# Altium PCB base-board_2.PcbDoc (part 2 of 3)
Units mil, origin at the board's own origin, x right, y up, seen from the top; angles counter-clockwise.
Board outline 3247.64 x 2805.12 mil, 4 copper layers (1 Top Layer, 2 Signal Layer, 3 GND Layer, 4 Bottom Layer), stack 61.811 mil thick; 193 components, 154 nets, 686 pads, 247 vias.
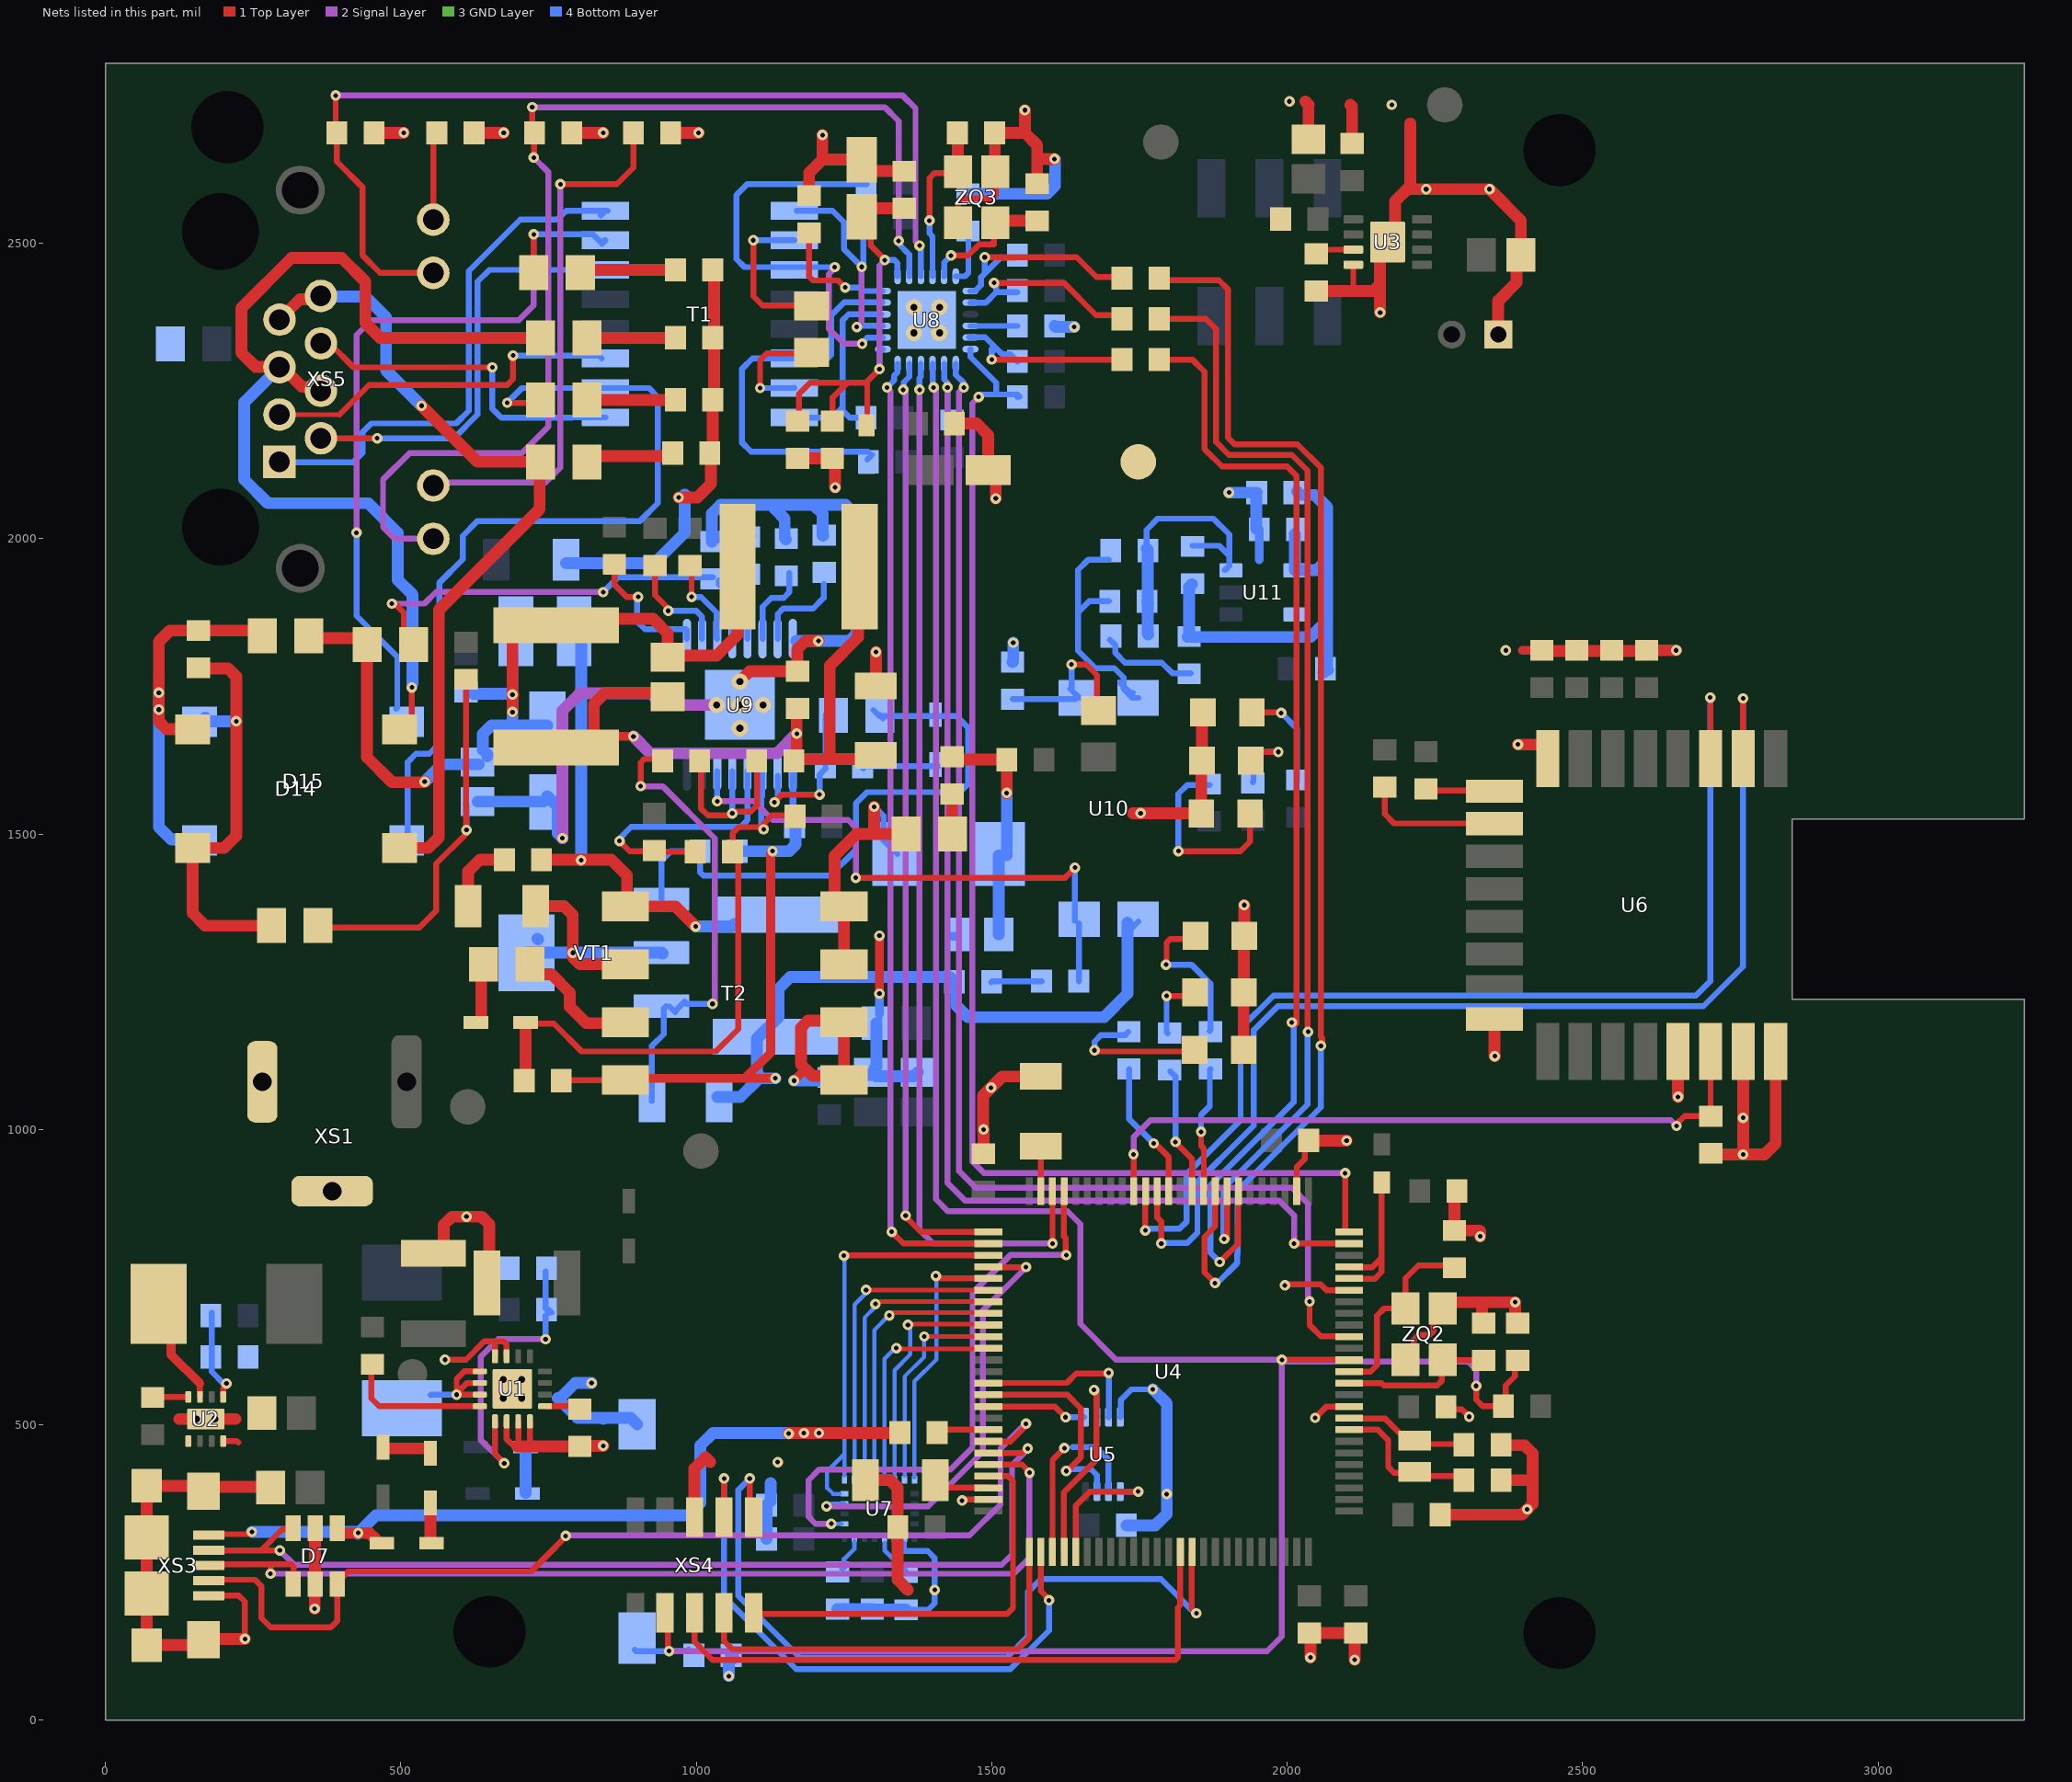
[diagram p4: the nets of this part, all layers, seen from the top]

## Via types
v1: diameter 17.72, hole 7.87, 1 Top Layer to 4 Bottom Layer, tented both sides, 215 vias
v2: diameter 17.72, hole 7.87, 1 Top Layer to 4 Bottom Layer, 13 vias
v3: diameter 27.56, hole 11.81, 1 Top Layer to 4 Bottom Layer, 11 vias
v4: diameter 23.62, hole 7.87, 1 Top Layer to 4 Bottom Layer, tented both sides, 4 vias
v5: diameter 27.56, hole 11.81, 1 Top Layer to 4 Bottom Layer, tented top, 4 vias

## Nets (pads, with @x,y where several pads share a name; then routed paths per layer and width w, separated by ;. In a path a pad name is that pad's centre, name@x,y a point inside that pad or via, vN(x,y) a via of type N, cw(c..) or ccw(c..) an arc to the next point about the centre after c; other vN are vias at no path point) (continued)
GND: C1.1 C2.1 C3.1 C4.1 C5.1 C6.1 C7.1 C8.1 C9.1 C10.1 C11.1 C12.1 C13.2 C14.1 C15.2 C16.1 C17.1 C18.1 C19.1 C20.1 C21.1 C22.1 C23.1 C24.1 C25.1 C26.1 C27.2 C28.2 C29.2 C30.2 C31.2 C32.2 C33.1 C34.2 C35.2 C36.2 C37.2 C38.2 C39.2 C40.2 C41.2 C42.2 C43.2 C44.2 C45.2 C61.1 C62.1 C63.1 C64.2 C65.1 C71.2 C80.2 D7.2 D7.5 D8.1 D9.1 D10.1 D11.1 D12.1 D13.1 pad.9 R8.1 R25.1 R26.1 R28.1 R29.1 R30.1 R31.1 R59.2 R60.2 R61.2 R63.1 R65.1 SB1.2 T2.7 T2.8 U1.6 U1.7 U1.8 U1.15 U1.16 U1.17 U2.1 U2.4 U2.9 U3.4 U3.9 U4.10 U4.20 U4.27 U4.74 U5.4 U6.8 U6.16 U6.21 U6.23 U6.24 U7.19 U7.20 U8.25 U11.5 XS1.2 XS1.3 XS2.1 XS3.5 XS3.6 XS3.7 XS3.8 XS3.9 XS3.10 XS3.11 XS4.6 ZQ2.2 ZQ2.4 ZQ3.2 ZQ3.4 | length 9790.4
  1 Top Layer w10: XS3.5@175.16,210.83 226.18,210.83 236.22,200.79 v1(236.22,137.8) ; U2.4@199.53,472.6 222.4,472.6 225,470 ; v1(574.8,610.24) 610.24,610.24 641.73,641.73 659.47,641.73 673.28,641.73 679.13,635.87 U1.15@679.13,616.14 ; U1.16@659.45,616.14 659.45,641.71 ; U1.6@679.13,505.91 679.13,475.87 695,460 ; 698.82,465.55 U1.7@698.82,505.91 ; 716.54,463.58 718.5,465.55 U1.8@718.5,505.91 ; ZQ3.4@1442.91,2534.45 1442.91,2569.93 1448.77,2575.79 1501.03,2575.79 1506.89,2581.65 1506.89,2620.08 ZQ3.2@1505.91,2621.06 ; v1(1449.8,372.05) 1451.89,372.05 1453.58,373.74 U4.74@1494.57,373.74 ; v1(1996.06,736.22) 1998.03,738.19 2056.1,738.19 2066.22,728.07 U4.20@2104.8,728.07 ; U4.27@2016.22,895.39 2016.22,936.5 2029.53,949.8 2029.53,974.41 C22.1@2036.42,981.3 ; v1@2047.24,515.75 v1(2047.24,511.81) 2066.65,531.22 U4.10@2104.8,531.22 ; C10.1@2049.21,2419.29 C10.1@2054.13,2414.37 ; 2110.24,2419.29 2111.93,2420.98 U3.4@2111.93,2463.61 ; ZQ2.2@2200.12,610.43 2214.57,624.88 2214.57,644.69 2222.44,652.56 2241.14,652.56 2248.03,659.45 2248.03,681.97 ZQ2.4@2263.11,697.05 ; C26.1@2268.7,530.51 2272.92,526.29 2295.56,526.29 v1(2308.07,513.78)
  1 Top Layer w15: v1(1165.35,1082.68) 1183.07,1100.39 1192.91,1090.55 ; v1(1310,1328) v1(1310,1230) 1310,1229.37 v1@1311.02,1228.35 ; 2397.64,1811.02 C28.2@2431.1,1811.02
  1 Top Layer w20: 125,510 v3(154.25,510) U2.9@170,510 v3(185.75,510) 220,510 ; XS3.7@166.3,136.02 157.44,127.17 XS3.9@69.84,127.17 XS3.11@69.84,214.76 XS3.10@69.84,309.25 XS3.8@69.84,396.85 157.44,396.85 XS3.6@166.3,387.99 173.31,395 C4.1@279.53,395 ; XS3.7@166.3,137.8 v1(236.22,137.8) ; v1(354.33,188.98) 354.33,229.84 D7.5@355,230.51 D7.2@355,325 ; R28.1@454.72,2687.01 v1(504.92,2687.01) ; C2.1@555.12,790.35 560.2,790.35 572.83,802.99 572.83,838.58 586.61,852.36 v1(611.22,852.36) 636.81,852.36 649.61,839.57 649.61,722.44 C1.1@653.54,718.5 ; R30.1@624.02,2687.01 v1(674.21,2687.01) ; 696.85,463.58 716.54,463.58 C3.1@803.15,463.58 804.13,464.57 v1(842.52,464.57) ; R29.1@789.37,2687.01 v1(842.52,2687.01) ; R31.1@956.69,2687.01 v1(1003.94,2687.01) ; XS4.6@997,343.42 997,426.13 1015.75,444.88 1023.62,437.01 ; C39.2@1171.26,2135.83 C38.2@1230.32,2135.83 ; R26.1@1190.94,2580.71 1190.94,2619.09 1213.58,2641.73 ; v1(1213.58,2683.07) 1213.58,2641.73 ; T2.8@1227,1089 1225.45,1090.55 1196.85,1090.55 1177.17,1110.24 1177.17,1172.17 1189,1184 T2.7@1250,1184 ; v1(1235.16,2086.61) 1235.16,2116.39 ; T2.8@1250,1083.53 T2.7@1250,1181.53 1250,1182 T2.7@1252,1184 ; C41.2@1280,2641.46 1280,2637.64 1295.59,2622.05 C40.2@1351.81,2622.05 ; C41.2@1280,2641.73 1213.58,2641.73 ; C17.1@1286.38,406.54 1327.72,406.54 1341,393.25 C21.1@1341,327 1341,237.74 1358.27,220.47 ; C80.2@1304,1751 1304,1806.95 1304.13,1807.09 v1(1304.13,1808.07) ; C44.2@1437.01,2194.88 1474.41,2194.88 1494.09,2175.2 C42.2@1494.09,2116.14 1506.89,2103.35 v1(1506.89,2067.91) ; C24.1@1486,959 1483.27,961.73 1485.86,964.32 1484.25,965.93 1486.22,967.9 v1@1486.22,998.65 ; v1(1486.22,1000) v1@1486.22,998.65 ; ZQ3.2@1505.91,2621.06 1505.41,2621.56 1505.41,2686.52 C43.2@1504.92,2687.01 1556.1,2687.01 ; v1(1556.1,2725.39) 1556.1,2687.01 ; C45.2@1577,2600.99 1577,2642.72 ; C18.1@1580.71,1089.57 1517.72,1089.57 v1(1499.02,1070.87) 1485.24,1057.09 1485.24,997.67 v1@1486.22,998.65 ; v1(1606.3,2642.72) 1577,2642.72 ; v1(1751.97,1535.43) 1739.17,1535.43 1738.74,1535 D11.1@1854.66,1535 1854.66,1620.41 D12.1@1855.32,1621.06 ; D13.1@1855.32,1702.76 1855.66,1702.41 D12.1@1855.66,1624 ; D10.1@1926.34,1135 1926.34,1228.5 D9.1@1928.15,1230.31 ; D9.1@1926.68,1232 1926.68,1331.2 D8.1@1927.17,1331.69 ; v1(1927.17,1379.92) 1927.61,1379.48 D8.1@1927.61,1327.92 ; C9.1@1986.95,2543.06 C9.1@1989.01,2541 ; 2030.51,2740.16 2036.42,2734.25 2036,2733.83 C7.1@2036,2675.93 ; C22.1@2036.42,981.3 2036.63,981.08 v1(2100.61,981.08) ; v1(2039.37,106.3) 2039.37,145.67 C25.1@2037.4,147.64 C27.2@2116.14,147.64 2114.17,145.67 v1(2114.17,102.36) ; C10.1@2049.21,2419.29 2110.24,2419.29 2145.49,2419.29 2157.2,2431.01 ; 2106.79,2734.25 2110,2731.04 C8.1@2110,2668.99 ; v1(2157.48,2382.87) 2157.2,2383.15 2157.2,2431.01 ; 2208.66,2591.54 v1(2235.24,2591.54) v1(2342.52,2591.54) 2395.67,2538.39 C6.1@2395.67,2480.31 2388.21,2472.86 2388.21,2433.49 2357.28,2402.56 XS2.1@2357.28,2345.47 ; 2208.66,2702.76 2208.66,2597.16 2182.8,2571.29 2182.8,2514.8 U3.9@2170,2502 2157.2,2489.2 2157.2,2431.01 ; C20.1@2258.99,348 2397.21,348 v1(2406.28,357.07) 2415.35,366.14 2415.35,408.96 ; ZQ2.4@2263.11,697.05 2273.73,707.66 2329.78,707.66 ; C23.1@2287.4,895.67 2283,891.27 C15.2@2283,828.99 2325.54,828.99 2326.77,827.76 v1(2326.77,818.9) ; C13.2@2332.36,672.28 2329.78,674.86 2329.78,707.66 ; U6.16@2350.59,1186.81 2350.59,1124.8 v1(2351.38,1124.02) ; C12.1@2362.2,406.5 2412.89,406.5 2415.35,408.96 ; C14.1@2362.2,466.54 2363.19,465.55 2401.57,465.55 2415.35,451.77 2415.35,408.96 ; C16.1@2390,671.99 2385.84,676.15 v1(2385.84,707.66) 2329.78,707.66 ; v1(2390.75,1651.57) 2431.26,1651.57 2440.95,1641.89 U6.8@2440.95,1627.56 ; C28.2@2429.13,1810.04 2607.28,1810.04 C31.2@2608.27,1811.02 v1(2658.46,1811.02) ; v1(2661.42,1055.12) U6.21@2661.42,1131.89 ; R8.1@2717,959.5 2718.83,957.68 v1(2771.65,957.68) ; U6.23@2771.65,1131.89 v1(2771.65,957.68) ; U6.24@2826.77,1131.89 2826.77,976.38 2808.07,957.68 v1(2771.65,957.68) ; 1556.1,2687.01 1577,2666.11 1577,2642.72
  4 Bottom Layer w8: U7.20@1335.13,307.09 1335.13,296.76 1345.47,286.42 ; 1352.46,287.3 1352.46,300.2
  4 Bottom Layer w10: C61.1@1310,1188 C61.1@1310,1195.83 ; v1(1310,1328) v1@1311.06,1326.92 ; 1345.47,286.42 1353.35,286.42 ; 1352.46,287.3 1353.35,286.42 ; C33.1@1354.5,187.51 C33.1@1355,187.01 1392.72,187.01 1403.54,197.83 v1(1403.54,220.47) 1403.54,274.61 1391.73,286.42 1353.35,286.42 ; C65.1@1440.91,1325.94 1441.34,1326.37 C65.1@1443.99,1329.02 ; U5.4@1717.53,512.99 1718.43,513.9 1718.43,542.25 1736.22,560.04 v1(1772.64,560.04)
  4 Bottom Layer w15: C61.1@1310,1195.83 v1(1310,1230) ; C65.1@1427.91,1328 1429.13,1326.77 C65.1@1440.94,1326.77 ; 1952.76,1964.57 R59.2@1952.76,2015.75
  4 Bottom Layer w20: v1(822.83,570.87) 795.28,570.87 769.69,545.28 765.75,545.28 799.21,511.81 844.15,511.81 ; 842.52,510.18 844.15,511.81 ; SB1.2@900,500.91 889.09,511.81 844.15,511.81 ; v1(1055.12,74.8) 1055.12,98.13 1062.99,106 C19.1@1058.99,110 ; C36.2@1119.01,307 C35.2@1119.01,364 1125.98,370.98 1125.98,401.57 ; v1(1165.35,1082.68) 1219.69,1082.68 C64.2@1225,1087.99 1229.01,1092 C63.1@1295,1092 ; C32.2@1239,188.01 C34.2@1298,188.01 1298.5,187.51 C33.1@1354.5,187.51 ; C63.1@1298,1096 1304,1090 1368.07,1090 C62.1@1375,1096.93 ; C63.1@1302,1103 1305,1106 C61.1@1305,1180 ; C37.2@1459.65,2583.66 1593.5,2583.66 1607.28,2597.44 1607.28,2641.73 v1(1606.3,2642.72) ; C71.2@1535.43,1791.34 1536.42,1792.32 v1(1536.42,1823.82) ; R25.1@1606.5,2360 1608.23,2358.27 v1(1639.76,2358.27) ; C11.1@1728,330 1776.85,330 1796.26,349.41 v1(1796.26,382.87) 1796.26,536.42 v1(1772.64,560.04) ; v1(1901.57,2078) R60.2@1948.5,2078 1947.5,2077 R59.2@1947.5,2017
  other v1: 1137.8,437.01 2771.65,1019.68 2370.08,1811.02 2177.17,2734.25 2003.94,2740.16
  other v3: 673.23,545.28 704.72,545.28 673.23,576.77 704.72,576.77
  other v5: 1368.35,2348.35 1411.65,2348.35 1368.35,2391.65 1411.65,2391.65
JTDI: U4.77 XS4.4 | length 1025
  1 Top Layer w10: XS4.4@1046,352 1047.24,353.24 v1(1047.24,409.45) ; U4.77@1583.15,285.16 1583.15,218.85 1597,205 v1(1597,203)
  4 Bottom Layer w10: v1(1047.24,409.45) 1047.24,208.66 1169.29,86.61 1531.5,86.61 1597,152.12 v1(1597,203)
JTDO: U4.89 XS4.5 | length 1063.7
  1 Top Layer w10: XS4.5@997,182 997,132.92 1027.56,102.36 1811.02,102.36 1814.96,106.3 1814.96,190.76 1818.9,194.7 1818.9,286.9 U4.89@1819,287
LED_G_A: R28.2 U8.3 XS5.10 | length 1702
  1 Top Layer w10: R28.2@379.02,2693.82 R28.2@384.84,2687.99 ; R28.2@389.76,2696.72 v1(389.76,2750) ; R28.2@391.73,2687.01 391.73,2638.27 435,2595 435,2480 465,2450 550,2450 XS5.10@555,2445
  2 Signal Layer w10: v1(389.76,2750) 388.78,2750.98 389.76,2750.98 390.75,2750 1349.41,2750 1371.06,2728.35 1371.06,2502.95 v1(1377.95,2496.06)
  4 Bottom Layer w10: v1(1377.95,2496.06) 1379.92,2494.09 1379.92,2444.35 U8.3@1380.16,2444.11
LED_G_K: R30.2 XS5.9 | length 147.1
  1 Top Layer w10: XS5.9@555,2540 555,2680 R30.2@560,2685
LED_Y_A: R29.2 U8.2 XS5.12 | length 1940.9
  1 Top Layer w10: R29.2@721.46,2690.94 719.49,2692.91 723.43,2696.85 722.48,2697.8 v1(722.48,2730.45) ; v2@725.39,2647.64 R29.2@725.39,2684.06
  2 Signal Layer w10: XS5.12@555,1999.84 490.16,1999.84 470,2020 470,2100 515,2145 705,2145 750,2190 750,2620 v2(725,2645) ; v1@721.46,2733.27 722.48,2732.25 v1@722.48,2731.26 ; v1(722.48,2730.45) v1@722.48,2731.26 ; v1(1342.52,2503.94) 1342.52,2706.68 1318.88,2730.32 722.48,2730.31 721.19,2730.31 722.31,2731.43 v1@722.48,2731.26
  4 Bottom Layer w10: v1(1342.52,2503.94) 1342.52,2498.9 1346.46,2494.96 1356.3,2485.12 1357.29,2484.13 1360.47,2480.94 U8.2@1360.47,2444.11
LED_Y_K: R31.2 XS5.11 | length 901.7
  1 Top Layer w10: v2@770,2600.11 865.86,2600.11 893.7,2627.95 R31.2@893.7,2687.01
  2 Signal Layer w10: XS5.11@555,2090 560,2095 745,2095 770,2120 v2(770,2600)
MCU_LED1: R4.2 U4.35 | length 212.4
  1 Top Layer w10: v1(1854.33,996.06) 1854.33,972.44 1859,967.77 U4.35@1859,898.37
  4 Bottom Layer w10: v1(1854.33,996.06) 1854.33,1024.61 1869.09,1039.37 1869.09,1101.38 R4.2@1870.08,1102.36
MCU_LED2: R5.2 U4.36 | length 218.3
  1 Top Layer w10: v1(1811,979) 1811,978 1839.06,949.94 U4.36@1839.06,895.39
  4 Bottom Layer w10: R5.2@1802.17,1098.43 1811,1089.59 v1(1811,979)
MCU_LED3: R6.2 U4.38 | length 233.9
  1 Top Layer w10: v1(1774.11,976.38) 1776.57,976.38 1799.21,953.74 U4.38@1799.21,897.64
  4 Bottom Layer w10: R6.2@1732.28,1102.36 1732.28,1018.21 v1(1774.11,976.38)
MEM_HOLD: U4.65 U5.7 | length 372.8
  1 Top Layer w10: U4.65@1498,551 1628,551 1651,528 1651,445 1630.33,424.33 1630.67,424 1628.67,422 1626,424.67 v1(1626,422)
  4 Bottom Layer w10: v1(1626,422) 1626,425 1628,423 v1@1631,426 ; v1@1632,425 1668,425 1678.16,414.84 U5.7@1678.16,387.01
MEM_WP: U4.64 U5.3 | length 278.1
  1 Top Layer w10: U4.64@1502,571 1627,571 1643,587 1694.91,587 1695.91,588 v1(1698,588)
  4 Bottom Layer w10: U5.3@1697.84,512.99 1698,513.15 v1(1698,588)
NetC3_2: C3.2 U1.9 | length 47.2
  1 Top Layer w10: U1.9@744.09,531.5 C3.2@791.34,531.5
NetC10_2: C10.2 U3.3 | length 62.2
  1 Top Layer w10: C10.2@2050.2,2488.19 2051.21,2489.2 U3.3@2111.93,2489.2
NetC12_2: C12.2 U4.8 ZQ1.2 | length 261.2
  1 Top Layer w10: U4.8@2104.8,491.85 2153.15,491.85 2171,474 2171,429 2181,419 ZQ1.2@2217.4,419 ; ZQ1.2@2216.12,420.28 ZQ1.2@2217.4,419 ; ZQ1.2@2220,419 ZQ1.2@2217.4,419 ; C12.2@2299.21,406.5 2299.21,407.57 2293.39,413.39 2223.02,413.39 ZQ1.2@2217.4,419
NetC13_1: C13.1 U4.12 ZQ2.3 | length 265.4
  1 Top Layer w10: U4.12@2104.8,570.59 2159.87,570.59 2163.53,566.93 2253.93,566.93 2262,575 2262,608 ZQ2.3@2264,610 ; ZQ2.3@2265,609 2265.29,609.29 C13.1@2332.36,609.29
NetC14_2: C14.2 U4.9 ZQ1.1 | length 214.6
  1 Top Layer w10: U4.9@2105,511 2165,511 2199,477 2207.55,477 ZQ1.1@2212.55,477 ; ZQ1.1@2207.55,482 ZQ1.1@2212.55,477 ; ZQ1.1@2216.12,473.43 ZQ1.1@2212.55,477 ; C14.2@2289.52,467.52 2225.6,467.52 2216.12,477 ZQ1.1@2212.55,477
NetC15_1: C15.1 U4.13 ZQ2.1 | length 322.2
  1 Top Layer w10: U4.13@2104,590 2141,590 2152,601 2152,685 2164,697 2196.23,697 2200.12,693.11 ZQ2.1@2200.12,697.05 2200.12,748.12 2222.01,770.01 C15.1@2267,770.01
NetC17_2: C17.2 U4.73 | length 85.4
  1 Top Layer w10: C17.2@1412,395 1414.64,397.64 1421.26,397.64 1424.99,393.91 1494.09,393.91 U4.73@1494.57,393.42
NetC18_2: C18.2 U4.49 | length 58.6
  1 Top Layer w10: U4.49@1583,913.39 C18.2@1583,972
NetC32_1: C32.1 U7.24 | length 55.8
  4 Bottom Layer w8: C32.1@1250,258.86 1250,272.64 1267.82,290.45 U7.24@1267.82,303.15
  4 Bottom Layer w10: C32.1@1247.05,255.91 C32.1@1250,258.86
NetC33_2: C33.2 U7.21 | length 65.5
  4 Bottom Layer w8: 1318.9,300.2 1318.9,287.4 1342.52,263.78 C33.2@1346.46,263.78
  4 Bottom Layer w10: C33.2@1342,261.03 1350.03,253 C33.2@1354,253
NetC37_1: C37.1 U8.6 | length 94.5
  4 Bottom Layer w10: U8.6@1439.21,2444.11 1454.77,2444.11 1460.63,2449.97 C37.1@1460.63,2520.67
NetC38_1: C38.1 C39.1 C40.1 C41.1 FB2.1 U8.1 U8.19 | length 799.3
  1 Top Layer w10: C39.1@1171.26,2198.82 1174,2201.56 1174,2244.87 1192.91,2263.78 1255.91,2263.78 ; C38.1@1230.32,2198.82 1230.32,2238.19 1255.91,2263.78 ; C41.1@1283,2528 1286,2525 C41.1@1295.28,2525 ; 1289,2263.78 1255.91,2263.78 ; FB2.1@1289.37,2200.79 1289.37,2266.37 1309,2286 v1@1311,2286 ; C41.1@1295.28,2555.12 C41.1@1295.28,2525 ; v1(1318.88,2471.44) 1318.88,2472.46 1295.28,2496.06 C41.1@1295.28,2525
  1 Top Layer w20: C41.1@1280,2545 1294.06,2559.06 C40.1@1351.81,2559.06
  2 Signal Layer w10: v1(1310,2287) 1310,2462.56 v1(1318.88,2471.44)
  4 Bottom Layer w10: v1(1310,2287) 1310,2320.31 1310.47,2320.79 U8.19@1315.89,2320.79 ; v1(1318.88,2471.44) 1335.65,2471.44 1340.55,2466.54 1340.55,2444.35 U8.1@1340.79,2444.11
NetC43_1: C43.1 U8.4 ZQ3.3 | length 283.8
  1 Top Layer w10: v1(1394.68,2538.39) 1394.68,2610.24 1403.54,2619.09 ZQ3.3@1441.93,2619.09
  1 Top Layer w20: C43.1@1438.98,2684.06 1442.42,2680.61 1442.42,2621.56 ZQ3.3@1442.91,2621.06
  4 Bottom Layer w10: v1(1394.68,2538.39) 1394.68,2516.73 1399.84,2511.57 U8.4@1399.84,2444.11
NetC45_1: C45.1 U8.5 ZQ3.1 | length 209.5
  1 Top Layer w10: v1(1431.1,2479.33) 1460.23,2479.33 1479.14,2498.24 1503.94,2498.24 ZQ3.1@1503.94,2535.43
  1 Top Layer w20: ZQ3.1@1505.91,2534.45 1509.46,2538 1556.1,2538
  4 Bottom Layer w10: U8.5@1419.53,2444.11 1419.53,2467.76 v1(1431.1,2479.33)
NetC46_2: C46.2 C48.2 C55.2 C56.2 C57.2 D16.2 L3.2 R33.2 R39.2 | length 1427.2
  1 Top Layer w20: R33.2@347.44,1831.69 432.09,1831.69 R39.2@442.91,1820.87 442.91,1629.92 485.24,1587.6 539.37,1587.6 v1(540.35,1588.58) ; C57.2@686.02,1857.28 688.98,1854.33 v1(688.98,1736.22) ; v1(688.98,1706.69) 688.98,1734.25 v1@689.96,1735.24 ; C57.2@827.76,1864.17 927.17,1864.17 951.77,1839.57 C55.2@951.77,1802.17 ; C55.2@951.77,1799.21 C55.2@951.77,1802.17 ; C56.2@1069.88,1952.76 1069.88,1837.6 1034.45,1802.17 C55.2@951.77,1802.17
  4 Bottom Layer w20: v1(540.35,1588.58) 569.88,1618.11 C48.2@631.89,1618.11 ; C46.2@620,1740 622.8,1737.2 684.06,1737.2 688.98,1732.28 v1(688.98,1706.69) 688.98,1685.04 ; C48.2@646.65,1631.89 646.65,1634.65 638.78,1642.52 638.78,1669.29 653.54,1684.06 D16.2@748.03,1684.06 ; v1(688.98,1736.22) L3.2@688.98,1804.13
NetC47_1: C47.1 D14.2 D15.2 R38.1 | length 728.8
  1 Top Layer w20: C47.1@159.45,1781.5 160.43,1780.51 207.68,1780.51 221.46,1766.73 v1(221.46,1690.94) 221.46,1497.05 200.79,1476.38 D14.2@147.64,1476.38 147.64,1366.14 168.78,1345 R38.1@281.26,1345
  4 Bottom Layer w20: D15.2@168.31,1695.87 169.29,1696.85 175.2,1690.94 v1(221.46,1690.94)
NetC47_2: C47.2 D14.1 D15.1 R33.1 | length 682.4
  1 Top Layer w20: D14.1@147.64,1677.17 147.07,1677.73 103.25,1677.73 90.55,1690.43 v1(90.55,1739.17) 90.55,1825.79 109.25,1844.49 C47.2@156.5,1844.49 ; C47.2@157.48,1844.49 256.89,1844.49 R33.1@260.83,1840.55
  4 Bottom Layer w20: v1(90.55,1739.17) 90.55,1511.81 111.79,1490.57 158.25,1490.57 D15.1@159.61,1489.21
  other v1: 90.55,1710.63
NetC48_1: C48.1 C53.1 C72.1 C73.1 C79.2 D16.1 R38.2 R49.1 R51.1 U9.8 U9.17 | length 2342.9
  1 Top Layer w10: R38.2@363.19,1342.52 364.17,1341.54 531.5,1341.54 560.04,1370.08 560.04,1449.8 611.22,1500.98 v1(611.22,1506.89) 610.24,1507.87 C53.1@610.24,1761.81
  1 Top Layer w20: v3@1074.8,1759.84 1090.55,1775.59 C79.2@1171.26,1775.59 1171.26,1812.99 1185.04,1826.77 v1(1206.69,1826.77)
  2 Signal Layer w20: v1(773.62,1493.11) 773.62,1708.62 803,1738 923.48,1738 942.97,1718.5 v3@1033.46,1718.5
  3 GND Layer w20: v3@1033.46,1718.5 v3@1034.45,1719.49
  4 Bottom Layer w10: C48.1@610.24,1550.2 611.22,1549.21 v1(611.22,1506.89)
  4 Bottom Layer w20: C48.1@630,1555 742.01,1555 D16.1@743.11,1556.1 ; D16.1@748.03,1563.98 765.48,1546.52 765.48,1501.25 v1(773.62,1493.11) ; C72.1@1026.57,1995.08 1026.57,2042.32 1041.34,2057.09 1071.85,2057.09 ; C72.1@1034.45,2001.97 C72.1@1035.43,2001.97 ; R49.1@1085.63,2000 R49.1@1088.58,2002.95 ; R49.1@1090.55,2003.94 1089.57,2004.92 1089.57,2033.46 1071.85,2051.18 1071.85,2057.09 ; C73.1@1151.57,1999.02 1149.61,2000.98 1149.61,2033.46 1132.87,2050.2 1132.87,2057.09 ; U9.8@1169.29,1826.77 v1(1206.69,1826.77) 1258.86,1826.77 1271.65,1839.57 1271.65,2038.39 1252.95,2057.09 1198.82,2057.09 ; R51.1@1214.57,2004.92 1214,2005.49 1214,2041.91 1198.82,2057.09 ; 1071.85,2057.09 1132.87,2057.09 ; 1132.87,2057.09 1198.82,2057.09
  other v3: 1073.82,1679.13 1034.45,1718.5 1073.82,1718.5 1113.19,1718.5 1073.82,1757.87
NetC49_1: C49.1 C50.1 C51.1 C52.1 C54.2 | length 691.7
  1 Top Layer w20: v1(970.32,2069.8) 1001.81,2069.8 1025,2092.99 1025,2147.01 C49.1@1023.46,2148.54 ; C49.1@1020,2140 C49.1@1022.99,2142.99 ; C49.1@1027.99,2150 C51.1@1027.99,2235 ; 1030,2255 C52.1@1030,2450
  4 Bottom Layer w20: C54.2@779.53,1958.66 929.13,1958.66 980.32,2009.84 980.32,2074.8
NetC49_2: C49.2 R34.1 | length 139.1
  1 Top Layer w20: R34.1@825,2130 835,2140 C49.2@960,2140
NetC50_2: C50.2 R35.1 | length 137
  1 Top Layer w20: R35.1@815,2340 C50.2@952.01,2340
NetC51_2: C51.2 R36.1 | length 130
  1 Top Layer w20: R36.1@820,2235 C51.2@950,2235
NetC52_2: C52.2 R37.1 | length 127
  1 Top Layer w20: 830,2455 C52.2@957.01,2455
NetC59_1: C59.1 R42.1 | length 133.2
  1 Top Layer w20: R42.1@614.17,1377.95 614.17,1437.01 633.86,1456.69 C59.1@675.2,1456.69 C59.1@680.12,1456.69
NetC60_1: C60.1 C65.2 D17.2 R41.1 | length 389.7
  1 Top Layer w20: C60.1@1434,1631 1439,1626 R41.1@1525.5,1626 v1(1525.5,1569.5)
  4 Bottom Layer w20: C65.2@1511.93,1330 D17.2@1511.93,1463.93 ; D17.2@1525,1464 1525.5,1464.5 v1(1525.5,1569.5)
NetC60_2: C60.2 R40.2 | length 60.4
  1 Top Layer w20: C60.2@1433,1568 1433,1509 R40.2@1434,1508
NetC66_1: C66.1 U9.3 | length 154.6
  1 Top Layer w10: C66.1@986.22,1955.71 992.13,1949.8 v1(992.13,1901.57)
  4 Bottom Layer w10: v1(992.13,1901.57) 992.33,1901.37 1008.08,1901.37 1034.71,1874.74 1034.71,1831.43 U9.3@1035.43,1830.71
NetC67_2: C67.2 C69.2 D18.2 R44.1 U9.11 | length 1078.1
  1 Top Layer w10: D18.2@711.42,1179 759,1179 806,1132 1033,1132 1070.87,1169.87 1070.87,1460.63 R44.1@1061.5,1470 ; R44.1@1062,1470 1062,1502 1071.81,1511.81 v1@1114.17,1511.81 ; C69.2@1156.69,1519.68 C69.2@1167.01,1530 ; C69.2@1165.35,1531.5 1127.91,1531.5 1114.17,1517.76 v1@1114.17,1511.81 ; v1@1114.17,1511.81 1118.11,1511.81 v1(1114.17,1507.87) v1@1114.17,1511.81
  1 Top Layer w20: C67.2@708.66,1082.68 711.42,1085.43 711.42,1179 D18.2@711.42,1181.1
  4 Bottom Layer w10: v1@1110.24,1507.87 1110.24,1562.62 1111.48,1563.87 1111.48,1607.48 U9.11@1112,1608
NetC68_1: C68.1 U9.2 | length 184.7
  1 Top Layer w10: C68.1@930.12,1954.72 930.12,1904.53 952.76,1881.89 v1(952.76,1877.95)
  4 Bottom Layer w10: v1(952.76,1877.95) 1000,1877.95 1009.84,1868.11 U9.2@1009.84,1830.71
NetC70_2: C70.2 R44.2 U9.12 | length 454.4
  1 Top Layer w10: v1(870.08,1488.19) 887.27,1471 C70.2@931,1471 ; C70.2@930,1474 934,1470 R44.2@998.5,1470
  4 Bottom Layer w10: v1(870.08,1488.19) 870.08,1492.08 890,1512 1075,1512 1086.61,1523.61 U9.12@1086.61,1606.3
NetC71_1: C71.1 R46.1 U10.1 | length 275.9
  1 Top Layer w10: v1(1635,1787) 1660,1787 1678,1769 R46.1@1678,1713
  4 Bottom Layer w10: C71.1@1535.43,1728.35 U10.1@1641.35,1728.35 ; v1(1635,1787) 1635,1747.5 1633,1745.5 U10.1@1648,1730.5